# KiCad board raven.kicad_pcb (continued)
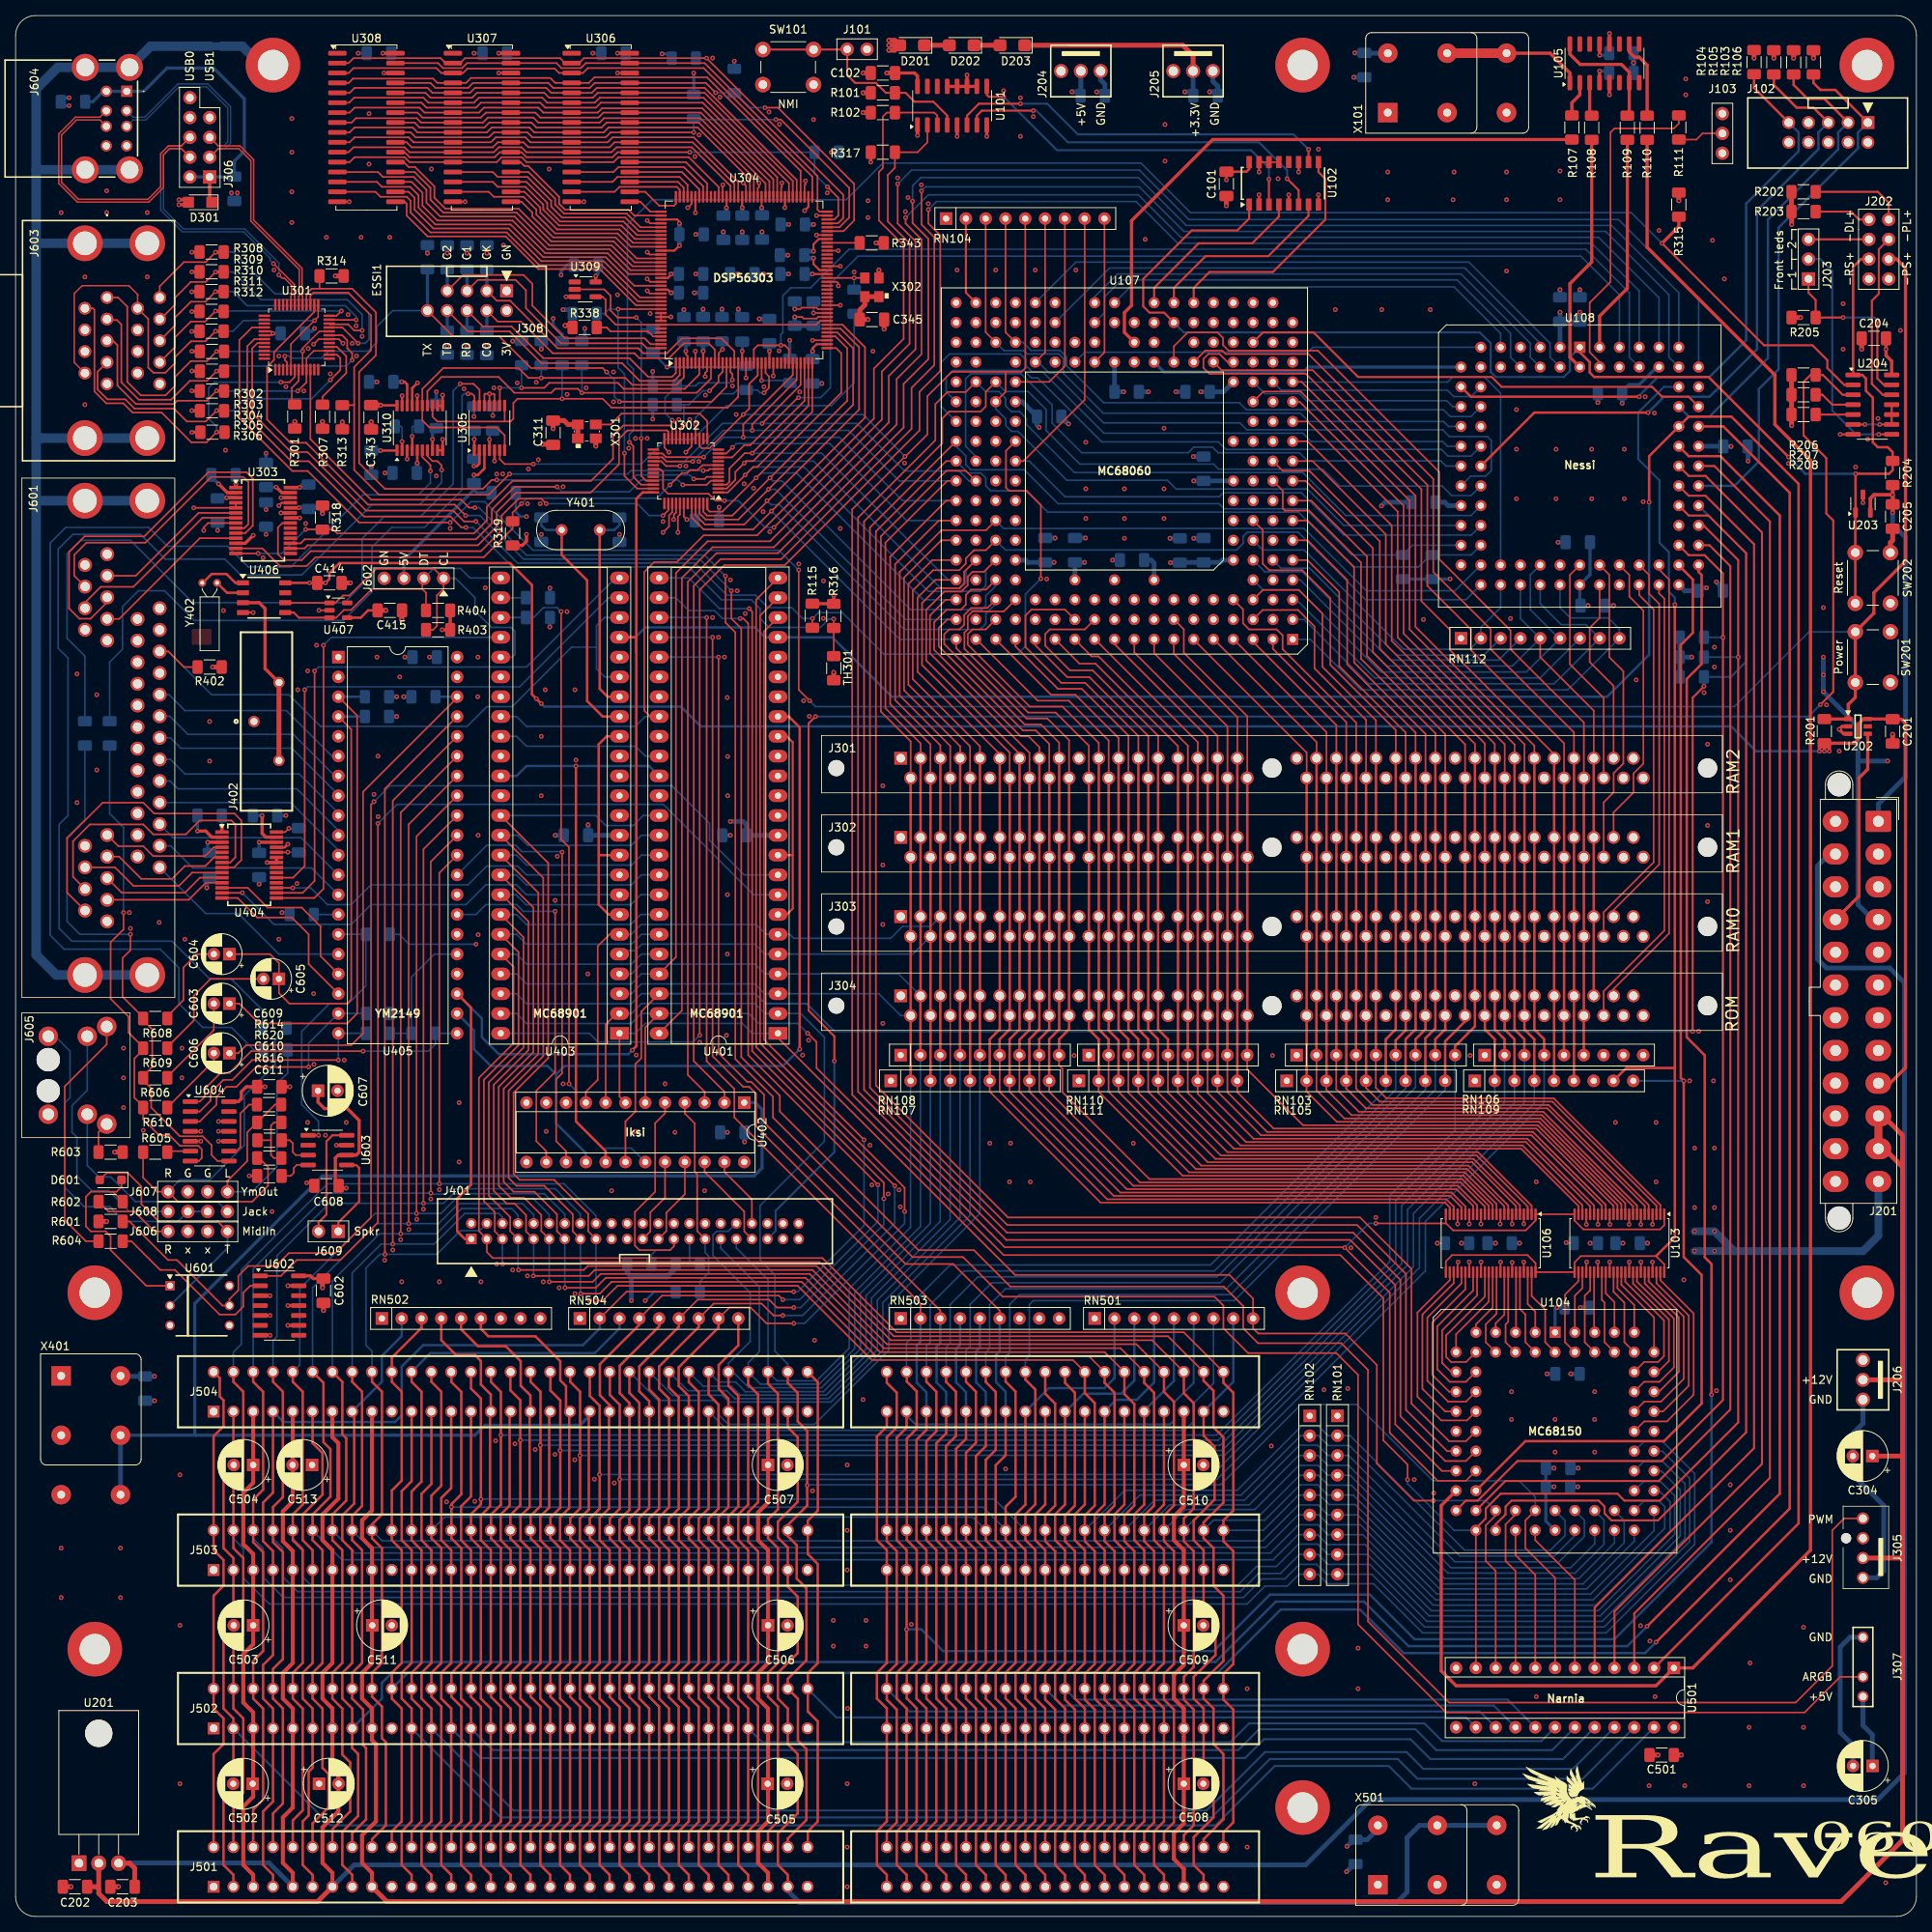
[diagram p0: board, top side]
## Placement (name value [footprint] x y rotation side) (continued)
R341  10K  [R_1206_3216Metric_Pad1.30x1.75mm_HandSolder]  92.2 235.46 270 bottom
R342  10K  [R_1206_3216Metric_Pad1.30x1.75mm_HandSolder]  87 232.16 270 bottom
R343  10K  [R_1206_3216Metric_Pad1.30x1.75mm_HandSolder]  109.83 214.68 0 top
R344  10K  [R_1206_3216Metric_Pad1.30x1.75mm_HandSolder]  85.72 238.38 180 bottom
R345  33  [R_1206_3216Metric_Pad1.30x1.75mm_HandSolder]  107.57 207.14 90 bottom
R401  1K  [R_1206_3216Metric_Pad1.30x1.75mm_HandSolder]  67.01 166.62 180 bottom
R402  1K  [R_1206_3216Metric_Pad1.30x1.75mm_HandSolder]  24.89 160.27 180 top
R403  2K2  [R_1206_3216Metric_Pad1.30x1.75mm_HandSolder]  54.2 165.05 180 top
R404  2K2  [R_1206_3216Metric_Pad1.30x1.75mm_HandSolder]  54.2 167.54 180 top
R405  2K2  [R_1206_3216Metric_Pad1.30x1.75mm_HandSolder]  67.01 169.16 180 bottom
R406  2K2  [R_1206_3216Metric_Pad1.30x1.75mm_HandSolder]  80.01 83.69 0 bottom
R407  2K2  [R_1206_3216Metric_Pad1.30x1.75mm_HandSolder]  86.23 80.14 180 bottom
R408  10K  [R_1206_3216Metric_Pad1.30x1.75mm_HandSolder]  86.23 83.69 0 bottom
R409  10K  [R_1206_3216Metric_Pad1.30x1.75mm_HandSolder]  36.7 128.52 180 bottom
R601  4K7  [R_1206_3216Metric_Pad1.30x1.75mm_HandSolder]  12.19 89.15 180 top
R602  220  [R_1206_3216Metric_Pad1.30x1.75mm_HandSolder]  12.19 91.69 0 top
R603  220  [R_1206_3216Metric_Pad1.30x1.75mm_HandSolder]  12.19 98.04 0 top
R604  220  [R_1206_3216Metric_Pad1.30x1.75mm_HandSolder]  12.19 86.61 180 top
R605  10K  [R_1206_3216Metric_Pad1.30x1.75mm_HandSolder]  17.91 98.04 0 top
R606  4K7  [R_1206_3216Metric_Pad1.30x1.75mm_HandSolder]  17.91 107.57 0 top
R607  10K  [R_1206_3216Metric_Pad1.30x1.75mm_HandSolder]  33.24 113.96 180 bottom
R608  4K7  [R_1206_3216Metric_Pad1.30x1.75mm_HandSolder]  17.91 115.19 0 top
R609  4K7  [R_1206_3216Metric_Pad1.30x1.75mm_HandSolder]  17.91 111.38 0 top
R610  4K7  [R_1206_3216Metric_Pad1.30x1.75mm_HandSolder]  17.91 103.76 0 top
R611  1K  [R_1206_3216Metric_Pad1.30x1.75mm_HandSolder]  52.32 156.46 180 bottom
R612  1K  [R_1206_3216Metric_Pad1.30x1.75mm_HandSolder]  46.35 153.92 0 bottom
R613  1K  [R_1206_3216Metric_Pad1.30x1.75mm_HandSolder]  46.35 156.46 0 bottom
R614  10K  [R_1206_3216Metric_Pad1.30x1.75mm_HandSolder]  32.51 104.14 180 top
R615  10K  [R_1206_3216Metric_Pad1.30x1.75mm_HandSolder]  33.36 111.16 180 bottom
R616  10K  [R_1206_3216Metric_Pad1.30x1.75mm_HandSolder]  32.54 97.28 180 top
R617  10K  [R_1206_3216Metric_Pad1.30x1.75mm_HandSolder]  46.51 115.82 180 bottom
R618  10K  [R_1206_3216Metric_Pad1.30x1.75mm_HandSolder]  46.48 113.28 180 bottom
R619  10K  [R_1206_3216Metric_Pad1.30x1.75mm_HandSolder]  52.32 113.28 0 bottom
R620  10K  [R_1206_3216Metric_Pad1.30x1.75mm_HandSolder]  32.54 101.85 180 top
R621  10K  [R_1206_3216Metric_Pad1.30x1.75mm_HandSolder]  46.48 125.98 0 bottom
RN101  4K7  [R_Array_SIP9]  169.57 64.21 270 top
RN102  4K7  [R_Array_SIP9]  166.01 64.21 270 top
RN103  1K  [R_Array_SIP9]  164.34 110.49 0 top
RN104  1K  [R_Array_SIP9]  119.36 217.81 0 top
RN105  1K  [R_Array_SIP9]  163.07 107.19 0 top
RN106  1K  [R_Array_SIP9]  188.47 110.49 0 top
RN107  1K  [R_Array_SIP9]  112.27 107.19 0 top
RN108  1K  [R_Array_SIP9]  113.54 110.49 0 top
RN109  1K  [R_Array_SIP9]  187.2 107.19 0 top
RN110  1K  [R_Array_SIP9]  137.67 110.49 0 top
RN111  1K  [R_Array_SIP9]  136.4 107.19 0 top
RN112  1K  [R_Array_SIP9]  185.42 163.96 0 top
RN501  4K7  [R_Array_SIP9]  138.43 76.71 0 top
RN502  4K7  [R_Array_SIP9]  46.99 76.71 0 top
RN503  1K  [R_Array_SIP9]  113.54 76.71 0 top
RN504  1K  [R_Array_SIP9]  72.39 76.71 0 top
SW101  Button  [SW_PUSH_6mm_H4.3mm]  102.36 234.99 180 top
SW201  Button  [SW_PUSH_6mm_H4.3mm]  240.5 164.79 270 top
SW202  Button  [SW_PUSH_6mm_H4.3mm]  236 168.45 90 top
TH301  NTC 10K  [R_1206_3216Metric_Pad1.30x1.75mm_HandSolder]  104.95 160.12 270 top
U101  74LS148  [SOIC-16_3.9x9.9mm_P1.27mm]  120.14 232.28 90 top
U102  74AHC157  [SOIC127P600X175-16N]  162.69 222.32 90 top
U103  SN74LVCH16245  [TSSOP-48_6.1x12.5mm_P0.5mm]  205.74 86.36 270 top
U104  MC68150  [PLCC-68_THT-Socket]  197.48 74.93 0 top
U105  CY2308  [SOIC-16_3.9x9.9mm_P1.27mm]  203.83 237.71 90 top
U106  SN74LVCH16245  [TSSOP-48_6.1x12.5mm_P0.5mm]  189.23 86.36 270 top
U107  MC68060  [MC68060_PGA206]  142.24 184.4 0 top
U108  ATF1508  [PLCC-84_THT-Socket]  200.66 201.3 0 top
U201  LM7905  [TO-220-3_Horizontal_TabDown]  8.13 6.83 0 top
U202  MAX16054  [SOT95P275X110-6N]  236.35 152.65 0 top
U203  DS1818  [SOT-23-3]  236.98 181.23 90 top
U204  74HCT10  [SOIC-14_3.9x8.7mm_P1.27mm]  238.19 193.93 0 top
U301  CH559L  [LQFP-48_7x7mm_P0.5mm]  36.07 202.58 90 top
U302  XR68M752  [TQFP-48_7x7mm_P0.5mm]  85.98 185.42 180 top
U303  MAX3245  [SOP65P778X199-28N]  31.75 179.07 0 top
U304  -  [DSP56303]  93.45 209.94 90 top
U305  PCM1808  [TSSOP-14_4.4x5mm_P0.65mm]  60.79 190.95 90 top
U306  AS7C31024B  [SOJ32_SRAM_300]  75.06 229.49 0 top
U307  AS7C31024B  [SOJ32_SRAM_300]  59.82 229.49 0 top
U308  AS7C31024B  [SOJ32_SRAM_300]  45 229.49 0 top
U309  SN74LVC1G14  [SOT-23-5_HandSoldering]  73.07 208.72 0 top
U310  PCM5102A  [TSSOP-20_4.4x6.5mm_P0.65mm]  51.85 190.95 90 top
U401  MC68901  [DIP-48_W15.24mm_Socket_LongPads]  97.79 113.28 180 top
U402  ATF22V10  [DIP-24_W7.62mm_Socket]  93.47 104.39 270 top
U403  MC68901  [DIP-48_W15.24mm_Socket_LongPads]  77.47 113.28 180 top
U404  MAX3245  [SOP65P778X199-28N]  29.97 134.87 0 top
U405  YM2149  [DIP-40_W15.24mm]  41.4 161.54 0 top
U406  DS1307  [SOIC127P600X175-8N]  31.88 169.16 0 top
U407  24AA02E48  [SOT-23-5]  41.4 167.55 0 top
U501  ATF22V10  [DIP-24_W7.62mm_Socket]  212.72 31.88 270 top
U601  CNY17F-3  [DIP762W60P254L730H430Q6N]  23.62 78.36 0 top
U602  74LS07  [SOIC-14_3.9x8.7mm_P1.27mm]  33.85 78.36 0 top
U603  PAM8302  [SOIC-8_3.9x4.9mm_P1.27mm]  40.01 98.3 0 top
U604  MCP4251  [SOIC-14_3.9x8.7mm_P1.27mm]  24.89 100.71 0 top
X101  48Mhz (3.3V)  [Oscillator_DIP-8-16]  176.02 231.39 0 top
X301  24Mhz (3.3V)  [ASE24576MHZLCT]  73.28 190.5 0 top
X302  22.5792MHz (3.3V)  [ASELJE225792MHzLRT]  109.84 208.99 90 top
X401  8Mhz (5V)  [Oscillator_DIP-8-16]  5.84 69.34 270 top
X501  14.31818Mhz (5V)  [Oscillator_DIP-8-16]  174.75 4.06 0 top
Y401  2.4576Mhz  [Crystal_HC49-U_Vertical]  74.93 177.85 180 top
Y402  32.768kHz  [Crystal_C26-LF_D2.1mm_L6.5mm_Horizontal]  23.94 171.07 0 top

## Library data of the parts
C101 C102 C110 C112-C119 C122-C128 C201-C205 C301 C306-C310 C312-C323 C327-C331 C337 C340-C342 C347 C403-C412 C414 C415 C514 C602 C608-C611 = -: Datasheet: https://www.mouser.se/datasheet/2/447/KEM_C1002_X7R_SMD-3316098.pdf; Manufacturer_Name: Kemet; Manufacturer_Part_Number: C1206C104K5RACTU; ki_fp_filters: C_*
C103 C104 C107-C109 C111 C303 C501 = -: Datasheet: https://www.mouser.se/datasheet/2/447/KEM_C1002_X7R_SMD-3316098.pdf; Manufacturer_Name: Kemet; Manufacturer_Part_Number: C1206C104K5RACTU; Part: C1206C104K5RACTU; Vendor: KEMET; ki_fp_filters: C_*
C105 C120 C130 C324 C332-C334 C343 C413 = -: Datasheet: https://www.mouser.se/datasheet/2/447/KEM_C1002_X7R_SMD-3316098.pdf; Manufacturer_Name: Kemet; Manufacturer_Part_Number: C1206C105K4RACTU; ki_fp_filters: C_*
C106 C121 C129 C206 C207 C302 C325 C601 = -: Datasheet: https://www.mouser.se/datasheet/2/447/KEM_C1002_X7R_SMD-3316098.pdf; Manufacturer_Name: Kemet; Manufacturer_Part_Number: C1206C106K4RACTU; ki_fp_filters: C_*
C304 C502-C513 C607 = -: Manufacturer_Name: Panasonic; Manufacturer_Part_Number: ECE-A1HKS100I; ki_fp_filters: CP_*
C305 = -: Manufacturer_Name: Panasonic; Manufacturer_Part_Number: ECE-A1AKS101; ki_fp_filters: CP_*
C311 = -: Datasheet: https://www.mouser.se/datasheet/2/447/KEM_C1002_X7R_SMD-3316098.pdf; Manufacturer_Name: Kemet; Manufacturer_Part_Number: C1206C103K5RACTU; ki_fp_filters: C_*
C326 = -: Datasheet: https://www.mouser.se/datasheet/2/447/KEM_C1002_X7R_SMD-3316098.pdf; Part: C1206C474K5RACTU; Vendor: KEMET; Manufacturer_Name: Kemet; Manufacturer_Part_Number: C1206C474K5RACTU; ki_fp_filters: C_*
C335 = -: Datasheet: https://www.mouser.se/datasheet/2/447/KEM_C1002_X7R_SMD-3316098.pdf; Part: C1206C104K5RACTU; Vendor: KEMET; Manufacturer_Name: Kemet; Manufacturer_Part_Number: C1206C104K5RACTU; ki_fp_filters: C_*
C338 = -: Datasheet: https://www.mouser.se/datasheet/2/447/KEM_C1002_X7R_SMD-3316098.pdf; Part: C1206C272K5RACTU; Vendor: KEMET; Manufacturer_Name: Kemet; Manufacturer_Part_Number: C1206C272K5RACTU; ki_fp_filters: C_*
C344 C346 = -: Datasheet: https://www.mouser.se/datasheet/2/447/KEM_C1002_X7R_SMD-3316098.pdf; Manufacturer_Name: Kemet; Manufacturer_Part_Number: C1206C225K4RACTU; ki_fp_filters: C_*
C345 = -: Datasheet: https://www.mouser.se/datasheet/2/447/KEM_C1002_X7R_SMD-3316098.pdf; Part: C1206C103K5RACTU; Vendor: KEMET; Manufacturer_Name: Kemet; Manufacturer_Part_Number: C1206C103K5RACTU; ki_fp_filters: C_*
C401 C402 = -: Datasheet: https://www.mouser.se/datasheet/2/447/KEM_C1002_X7R_SMD-3316098.pdf; Manufacturer_Name: Kemet; Manufacturer_Part_Number: C1206C330J1GACTU; ki_fp_filters: C_*
C603-C606 = -: Manufacturer_Name: Panasonic; Manufacturer_Part_Number: ECE-A1HKS4R7; ki_fp_filters: CP_*
D201-D203 = -: Datasheet: https://www.mouser.se/datasheet/2/80/CGRKM4001_HF_Thru__CGRKM4007_HF_RevH-3083814.pdf; Manufacturer_Name: Comchip; Manufacturer_Part_Number: CGRKM4001-HF; ki_fp_filters: TO-???* *_Diode_* *SingleDiode* D_*
D301 = -: Datasheet: https://assets.nexperia.com/documents/data-sheet/PMEG2010ER.pdf; Description: 20V, 1A low Vf MEGA Schottky barrier rectifier, SOD-123W; Manufacturer_Name: Nexperia; ki_fp_filters: Nexperia*CFP3*SOD?123W*
D601 = -: Datasheet: http://www.vishay.com/docs/85622/1n914.pdf; Sim.Device: D; Sim.Pins: 1=K 2=A; Manufacturer_Name: Taiwan Semiconductor; Manufacturer_Part_Number: 1N914BW RHG; ki_fp_filters: D*DO?35*
H601-H609 = -: ki_fp_filters: MountingHole*Pad*
J101 = -: Manufacturer_Name: Wurth Elektronik; Manufacturer_Part_Number: 61300211121; Name: NMI; ki_fp_filters: Connector*:*_1x??_*
J102 = -: Datasheet: https://www.we-online.com/components/products/datasheet/61201021621.pdf; Manufacturer_Name: Wurth Elektronik; Manufacturer_Part_Number: 61201021621
J103 J203 = -: Manufacturer_Name: Wurth Elektronik; Manufacturer_Part_Number: 61300311121; ki_fp_filters: Connector*:*_1x??_*
J201 = -: Datasheet: https://www.mouser.se/datasheet/2/418/7/ENG_CD_1775099_J-2019577.pdf; Info: https://www.intel.com/content/dam/www/public/us/en/documents/guides/power-supply-design-guide-june.pdf#page=33; Manufacturer_Name: TE Connectivity; Manufacturer_Part_Number: 1-1775099-3; ki_fp_filters: *Mini?Fit*2x12*Vertical* *Mini?Fit*2x12*Horizontal*
J202 = -: Manufacturer_Name: Wurth Elektronik; Manufacturer_Part_Number: 61300821121; Name: Frontpanel; ki_fp_filters: Connector*:*_2x??_*
J204-J206 = -: Datasheet: https://www.molex.com/pdm_docs/sd/1718561003_sd.pdf; Height: 8.43; Mouser Part Number: 538-171856-1003; Mouser Price/Stock: https://www.mouser.co.uk/ProductDetail/Molex/171856-1003?qs=s7UCm7gO1bYrc6bByhKL5g%3D%3D; Manufacturer_Name: Molex; Manufacturer_Part_Number: 171856-1003
J301-J304 = -: Datasheet: https://www.te.com/commerce/DocumentDelivery/DDEController?Action=srchrtrv&DocNm=5822030&DocType=Customer+Drawing&DocLang=English&PartCntxt=5822030-3&DocFormat=pdf; Description: Non-standard SIMM; Manufacturer_Name: TE Connectivity; Manufacturer_Part_Number: 5822030-3
J305 = -: Datasheet: https://www.molex.com/en-us/products/part-detail-pdf/470531000?display=pdf; Description: Generic connector, single row, 01x04, script generated (kicad-library-utils/schlib/autogen/connector/); Manufacturer_Name: Molex; Manufacturer_Part_Number: 47053-1000; ki_fp_filters: Connector*:*_1x??_*
J306 = -: Description: Generic connector, double row, 02x05, odd/even pin numbering scheme (row 1 odd numbers, row 2 even numbers), script generated (kicad-library-utils/schlib/autogen/connector/); Manufacturer_Name: Wurth Elektronik; Manufacturer_Part_Number: 61301021121; ki_fp_filters: Connector*:*_2x??_*
J307 = -: Datasheet: https://www.mouser.se/datasheet/2/273/MMMCS33186_1-2552569.pdf; Description: Fan header, 5V ARGB; Manufacturer_Name: Mill-Max; Manufacturer_Part_Number: 800-10-004-10-001000; Manufacturer_Name2: Preci-dip; Manufacturer_Part_Number2: 350-10-104-00-006101; ki_fp_filters: Connector*:*_1x??_*
J308 = -: Description: Generic connector, double row, 02x05, odd/even pin numbering scheme (row 1 odd numbers, row 2 even numbers), script generated (kicad-library-utils/schlib/autogen/connector/); Manufacturer_Name: Wurth Elektronik; Manufacturer_Name2: Wurth Elektronik; Manufacturer_Part_Number2: 61301021121; Manufacturer_Part_Number: 61201021621; ki_fp_filters: Connector*:*_2x??_*
J401 = -: Description: Connector pin header; Manufacturer_Name: Wurth Elektronik; Manufacturer_Part_Number: 62004421121; ki_fp_filters: Connector*:*_2x??_*
J402 = -: Datasheet: https://cdn.harwin.com/pdfs/S8401.pdf; Mouser Part Number: 855-S8401-46; Mouser Price/Stock: https://www.mouser.co.uk/ProductDetail/Harwin/S8401-46?qs=Qom7kyPojXaFNoCO9lxVnA%3D%3D; Manufacturer_Name: Harwin; Manufacturer_Part_Number: S8401-46
J501-J504 = -: Datasheet: https://www.mouser.se/datasheet/2/418/7/ENG_CD_5176139_E-2067364.pdf; Manufacturer_Name: TE Connectivity; Manufacturer_Part_Number: 5176139-2
J601 = -: Datasheet: https://cdn.amphenol-cs.com/media/wysiwyg/files/documentation/datasheet/inputoutput/l17h_stacked_dsub.pdf; Manufacturer_Name: Amphenol; Manufacturer_Part_Number: L17H26R0121; Mouser Part Number: 523-L17H26R0121
J602 J606-J608 = -: Manufacturer_Name: Wurth Elektronik; Manufacturer_Part_Number: 61300411121; ki_fp_filters: Connector*:*_1x??_*
J603 = -: Datasheet: https://componentsearchengine.com/Datasheets/1/K42X-E9P_P-A4NJ.pdf; Height: 31.6; Mouser Part Number: 806-K42X-E9P/P-A4NJ; Mouser Price/Stock: https://www.mouser.com/Search/Refine.aspx?Keyword=806-K42X-E9P%2FP-A4NJ; Manufacturer_Name: Kycon; Manufacturer_Part_Number: K42X-E9P/P-A4NJ
J604 = -: Datasheet: https://gct.co/connector/usb1035; Description: USB Connectors USB A Skt, Dual Top TH R/A, GF, BLK, No ground, W/stake, tray; Height: 16.25; Mouser Part Number: 640-USB1035GFP0BB; Mouser Price/Stock: https://www.mouser.co.uk/ProductDetail/GCT/USB1035-GF-P-0-B-B?qs=KUoIvG%2F9IlZdvtWwZEQX0g%3D%3D; Manufacturer_Name: GCT; Manufacturer_Part_Number: USB1035-GF-P-0-B-B
J605 = -: Datasheet: https://www.kycon.com/Pub_Eng_Draw/STX-4235-3-3-N.pdf; Manufacturer_Name: Kycon; Manufacturer_Part_Number: STX-4235-3/3-N; Mouser Part Number: 806-STX-4235-3/3-N
J609 = -: Name: SPK; Manufacturer_Name: Wurth Elektronik; Manufacturer_Part_Number: 61300211121; ki_fp_filters: Connector*:*_1x??_*
NT601 = -: Description: Net tie, 2 pins; ki_fp_filters: Net*Tie*
R101-R103 R111 R201 R205-R208 R301-R319 R327 R334-R336 R338 R339 R341-R344 R408 R409 R605 R607 R614-R621 = -: Manufacturer_Name: Yageo; Manufacturer_Part_Number: RT1206FRE0710KL; ki_fp_filters: R_*
R104-R106 R601 R606 R608-R610 = -: Manufacturer_Name: Yageo; Manufacturer_Part_Number: RT1206FRE074K7L; ki_fp_filters: R_*
R107-R110 R345 = -: Manufacturer_Name: Yageo; Manufacturer_Part_Number: RT1206FRE0733RL; ki_fp_filters: R_*
R112-R117 R204 R320 R337 R340 R401 R402 R611-R613 = -: Manufacturer_Name: Yageo; Manufacturer_Part_Number: RT1206FRE071KL; ki_fp_filters: R_*
R202 R203 R602-R604 = -: Manufacturer_Name: Yageo; Manufacturer_Part_Number: RT1206FRE07220RL; ki_fp_filters: R_*
R321-R326 R328-R333 = -: Manufacturer_Name: Yageo; Manufacturer_Part_Number: RT1206FRE0747KL; ki_fp_filters: R_*
R403-R407 = -: Manufacturer_Name: Yageo; Manufacturer_Part_Number: RT1206FRE072K2L; ki_fp_filters: R_*
RN101 RN102 RN501 RN502 = -: Datasheet: http://www.vishay.com/docs/31509/csc.pdf; Manufacturer_Name: IRC / TT; Manufacturer_Part_Number: L091S472LF; ki_fp_filters: R?Array?SIP*
RN103-RN112 RN503 RN504 = -: Datasheet: https://www.mouser.se/datasheet/2/414/TTRB_S_A0011800142_1-2565569.pdf; Manufacturer_Name: IRC / TT; Manufacturer_Part_Number: L091S102LF; ki_fp_filters: R?Array?SIP*
SW101 = -: Manufacturer_Name: Alps Alpine; Manufacturer_Part_Number: SKHHAKA010; Name: NMI
SW201 = -: Manufacturer_Name: Alps Alpine; Manufacturer_Part_Number: SKHHAKA010; Name: Pwr
SW202 = -: Manufacturer_Name: Alps Alpine; Manufacturer_Part_Number: SKHHAKA010; Name: Reset
TH301 = -: Datasheet: https://product.tdk.com/system/files/dam/doc/product/sensor/ntc/chip-ntc-thermistor/data_sheet/50/db/ntc/ntc_smd_standard_series_1206.pdf; Manufacturer_Name: TDK; Manufacturer_Part_Number: B57621C5103J62; ki_fp_filters: *NTC* *Thermistor* PIN?ARRAY* bornier* *Terminal?Block* R_*
U101 = -: Datasheet: https://www.ti.com/lit/ds/symlink/sn74ls148.pdf?ts=1705308070567; Manufacturer_Name: Texas Instruments; Manufacturer_Part_Number: SN74LS148DR; ki_fp_filters: DIP?16*
U102 = -: Datasheet: https://componentsearchengine.com/Datasheets/1/74AHC157D,118.pdf; Height: 1.75; Manufacturer_Name: Nexperia; Manufacturer_Part_Number: 74AHC157D,118; Mouser Part Number: 771-AHC157D118; Mouser Price/Stock: https://www.mouser.com/Search/Refine.aspx?Keyword=771-AHC157D118
U103 U106 = -: Datasheet: https://www.mouser.se/datasheet/2/916/74LVC_LVCH16245A-1535593.pdf; Manufacturer_Name: Nexperia; Manufacturer_Part_Number: 74LVCH16245ADGG,11; ki_fp_filters: TSSOP*6.1x12.5mm*P0.5mm*
U104 = -: Datasheet: https://media.digikey.com/pdf/Data%20Sheets/IDT/MC68150.pdf; Manufacturer_Name: Motorola; Manufacturer_Part_Number: MC68150FN40; Vendor: NXP
U105 = -: Datasheet: https://www.mouser.se/datasheet/2/196/Infineon_CY2308_3_3_V_Zero_Delay_Buffer_DataSheet_-3361085.pdf; Manufacturer_Name: Infineon Technologies; Manufacturer_Part_Number: CY2308SXC-2
U107 = -: Datasheet: https://www.nxp.com/docs/en/data-sheet/MC68060UM.pdf; Manufacturer_Name: Motorola; Manufacturer_Part_Number: MC68060RC50; Part: MC68060RC; Vendor: NXP
U108 = -: Datasheet: https://www.mouser.se/datasheet/2/268/doc0784-1368949.pdf; Manufacturer_Name: Microchip; Manufacturer_Part_Number: ATF1508AS-7JX84
U201 = -: Datasheet: https://datasheet.datasheetarchive.com/originals/distributors/Datasheets-SFU2/DSASFU100036452.pdf; Height: 4.7; Manufacturer_Name: Texas Instruments; Manufacturer_Part_Number: LM7905CT/NOPB; Mouser Part Number: 926-LM7905CT/NOPB; Mouser Price/Stock: https://www.mouser.co.uk/ProductDetail/Texas-Instruments/LM7905CT-NOPB?qs=QbsRYf82W3EUyxHaqeuxKA%3D%3D
U202 = -: Datasheet: https://datasheet.datasheetarchive.com/originals/distributors/SFDatasheet-4/sf-00087822.pdf; Height: 1.1; Manufacturer_Name: Analog Devices; Manufacturer_Part_Number: MAX16054AZT+T; Mouser Part Number: 700-MAX16054AZTT; Mouser Price/Stock: https://www.mouser.co.uk/ProductDetail/Analog-Devices-Maxim-Integrated/MAX16054AZT%2bT?qs=CDqwynd4ZNoG75aAAjGoqQ%3D%3D
U203 = -: Datasheet: https://www.mouser.se/datasheet/2/609/DS1818-3122611.pdf; Mouser Part Number: 700-DS1818R-10T&R; Manufacturer_Name: Analog Devices; Manufacturer_Part_Number: DS1818R-10+T&R
U204 = -: Datasheet: https://www.ti.com/lit/ds/symlink/cd74hct10.pdf?ts=1705337310925&ref_url=https%253A%252F%252Fwww.mouser.se%252F; Manufacturer_Name: Texas Instruments; Manufacturer_Part_Number: CD74HCT10M96G4; ki_fp_filters: DIP*W7.62mm*
U301 = -: Datasheet: https://www.wch-ic.com/downloads/file/212.html?time=2025-03-14%2017:18:16&code=zSAYCtAspQWkNjkWkXBXEKZuYL6RHVEhDMyqfEtb; Manufacturer_Name: WCH
U302 = -: Datasheet: https://www.mouser.se/datasheet/2/146/xr16m752_111_062509-1888941.pdf; Manufacturer_Name: MaxLinear; Manufacturer_Part_Number: XR68M752IM48-F
U303 U404 = -: Datasheet: https://www.mouser.se/datasheet/2/609/MAX3224_MAX3245-3128230.pdf; Height: 1.99; Manufacturer_Name: Analog Devices; Manufacturer_Part_Number: MAX3245CAI+T; Mouser Part Number: 700-MAX3245CAIT; Mouser Price/Stock: https://www.mouser.co.uk/ProductDetail/Analog-Devices-Maxim-Integrated/MAX3245EAI%2bT?qs=CDqwynd4ZNrrMw8MU20iYw%3D%3D
U304 = -: Datasheet: https://www.nxp.com/docs/en/data-sheet/DSP56303.pdf; Manufacturer_Name: Motorola; Manufacturer_Part_Number: DSP56303AG100
U305 = -: Datasheet: http://www.ti.com/lit/gpn/PCM1807; Description: 101dB SNR Stereo ADC With Single-Ended Inputs; Height: 1.2; Mouser Part Number: 595-PCM1808PW; Mouser Price/Stock: https://www.ti.com/lit/ds/symlink/pcm1808.pdf; Manufacturer_Name: Texas Instruments; Manufacturer_Part_Number: PCM1808PW
U306-U308 = -: Datasheet: https://www.alliancememory.com/wp-content/uploads/pdf/sram/fa/AS7C31024B.V1.2.pdf; Description: 3.3V 1-Mbit (128K X 8-bit) CMOS SRAM, 10/12/15/20ns, SOJ-32 (300 mil); Manufacturer_Name: Alliance Memory; Manufacturer_Part_Number: AS7C31024B-12TJCN; ki_fp_filters: *SOJ*7.6*20.*P1.27mm*
U309 = -: Datasheet: https://www.ti.com/lit/ds/symlink/sn74lvc1g14.pdf; Description: Single Schmitt NOT Gate, Low-Voltage CMOS, SOT-23; Manufacturer_Name: Texas Instruments; Manufacturer_Part_Number: SN74LVC1G14DBVT; ki_fp_filters: SOT*23*
U310 = -: Datasheet: https://www.ti.com/lit/ds/symlink/pcm5102a.pdf; Description: 2.1 VRMS, 112dB Audio Stereo DAC with PLL and 32-bit, 384kHz PCM Interface, TSSOP-20; Manufacturer_Name: Texas Instruments; Manufacturer_Part_Number: PCM5102APWR; ki_fp_filters: TSSOP*4.4x6.5mm*P0.65mm*
U401 U403 = -: Datasheet: https://www.nxp.com/docs/en/reference-manual/MC68901UM.pdf; Manufacturer_Name: Motorola; Manufacturer_Part_Number: MC68901P
U402 U501 = -: Datasheet: http://ww1.microchip.com/downloads/en/DeviceDoc/doc0735.pdf; Manufacturer_Name: Microchip; Manufacturer_Part_Number: ATF22V10C-10PU
U405 = -: Datasheet: http://www.ym2149.com/ym2149.pdf; Manufacturer_Name: Yamaha; ki_fp_filters: DIP*W15.24mm*
U406 = -: Datasheet: https://datasheets.maximintegrated.com/en/ds/DS1307.pdf; Height: 1.75; Mouser Part Number: 700-DS1307ZT&R; Mouser Price/Stock: https://www.mouser.co.uk/ProductDetail/Analog-Devices-Maxim-Integrated/DS1307Z%2bTR?qs=0Y9aZN%252BMVCXp4OQc9xwQow%3D%3D; Manufacturer_Name: Analog Devices; Manufacturer_Part_Number: DS1307Z+T&R
U407 = -: Datasheet: https://www.mouser.se/datasheet/2/268/2_Kbit_I2C_Serial_EEPROMs__2bEUI_48_or_EUI_64_Node-3442802.pdf; Description: MAC address, EEPROM 2K, 256x8, i2c; Manufacturer_Name: Microchip; Manufacturer_Part_Number: 24AA02E48T-I/OT
U601 = -: Datasheet: https://componentsearchengine.com/Datasheets/2/CNY17F-3.pdf; Height: 4.3; Mouser Part Number: 782-CNY17F-3; Mouser Price/Stock: https://www.mouser.co.uk/ProductDetail/Vishay-Semiconductors/CNY17F-3?qs=xCMk%252BIHWTZPgGZuXIQVmMQ%3D%3D; Manufacturer_Name: Vishay
U602 = -: Datasheet: www.ti.com/lit/ds/symlink/sn74ls07.pdf; Manufacturer_Name: Texas Instruments; Manufacturer_Part_Number: SN74LS07DR; ki_fp_filters: SOIC*3.9x8.7mm*P1.27mm* TSSOP*4.4x5mm*P0.65mm* DIP*W7.62mm*
U603 = -: Datasheet: https://www.diodes.com/assets/Datasheets/PAM8302A.pdf; Description: 2.5W Filterless Class-D Mono Audio Amplifier, SOIC-8; Manufacturer_Name: Diodes Incorporated; Manufacturer_Part_Number: PAM8302AADCR; ki_fp_filters: MSOP*3x3mm*P0.65mm* SOIC*3.9x4.9mm*P1.27mm*
U604 = -: Datasheet: http://ww1.microchip.com/downloads/en/devicedoc/22060b.pdf; Description: Dual 8 Bit Digital Pot, SPI, Volatile Memory, SOIC-14; Manufacturer_Name: Microchip; Manufacturer_Part_Number: MCP4251T-103E/SL; ki_fp_filters: SOIC*3.9x8.7mm*P1.27mm*
X101 = -: Datasheet: http://cdn-reichelt.de/documents/datenblatt/B400/OSZI.pdf; Manufacturer_Name: Abracon; Manufacturer_Part_Number: ACHL-48.000MHZ-EK; ki_fp_filters: Oscillator*DIP*8*
X301 = -: Description: Standard Clock Oscillators 24.000M 3.3V 50ppm; Height: 1.2; Mouser Part Number: 815-ASE-24.000MLCT; Mouser Price/Stock: https://www.mouser.co.uk/ProductDetail/ABRACON/ASE-24.000MHZ-L-C-T?qs=s46Hw6dZPL5hsj8Gn4dVUg%3D%3D; Manufacturer_Name: Abracon; Manufacturer_Part_Number: ASE-24.000MHZ-L-C-T
X302 = -: Datasheet: https://abracon.com/datasheets/ASELJ.pdf; Description: 22.5792 MHz XO (Standard) CMOS Oscillator 3.3V Enable/Disable 4-SMD, No Lead; Height: 1.1; Mouser Part Number: 815-ASELJE225792MLRT; Mouser Price/Stock: https://www.mouser.co.uk/ProductDetail/ABRACON/ASELJ-E-22.5792MHz-L-R-T?qs=wT7LY0lnAe3Ow5g%252BywGHaA%3D%3D; Manufacturer_Name: Abracon; Manufacturer_Part_Number: ASELJ-E-22.5792MHz-L-R-T
X401 = -: Datasheet: http://cdn-reichelt.de/documents/datenblatt/B400/OSZI.pdf; Description: Crystal Clock Oscillator, DIP8-style metal package; Manufacturer_Name: Abracon; Manufacturer_Part_Number: ACH-8.000MHZ-EK; ki_fp_filters: Oscillator*DIP*8*
X501 = -: Datasheet: http://cdn-reichelt.de/documents/datenblatt/B400/OSZI.pdf; Description: Crystal Clock Oscillator, DIP8-style metal package; Manufacturer_Name: Abracon; Manufacturer_Part_Number: ACH-14.31818MHZ-EK; ki_fp_filters: Oscillator*DIP*8*
Y401 = -: Manufacturer_Name: CTS; Manufacturer_Part_Number: MP024S; ki_fp_filters: Crystal*
Y402 = -: Height: 6.2; Manufacturer_Name: ECS; Manufacturer_Part_Number: ECS-.327-12.5-13X-C; Mouser Part Number: 520-S-.32712.513XC; Mouser Price/Stock: https://www.mouser.co.uk/ProductDetail/ECS/ECS-.327-12.5-13X-C?qs=zW32dvEIR3sSXlfaut3cdQ%3D%3D

## Footprints (pads in the part's own frame, mm; a bottom-side part is the same pattern mirrored in y, then rotated)
470531000
  round 1.3 hole 1.3 unplated: (-5.08,-2.16)
  round 1.55 hole 1.02: 1(-7.62,0) 2(-5.08,0) 3(-2.54,0)
  round 1.53 hole 1.02: 4(0,0)
ASE24576MHZLCT
  rect 1.5x1.225 smd: 1(-1.15,-0.887) 2(1.15,-0.887) 3(1.15,0.887) 4(-1.15,0.887)
ASELJE225792MHzLRT
  rect 1.4x1.2 smd: 1(-1.2,-0.9) 2(1.2,-0.9) 3(1.2,0.9) 4(-1.2,0.9)
ATX_hole
  round 7 hole 3.9: 1(0,0)
ATX_pwr24
  round 3 hole 3 unplated: (-4.7,-5.04) (50.9,-5.04)
  rrect 2.7x3.3 hole 1.4: 1(0,0)
  oval 2.7x3.3 hole 1.4: 2(4.2,0) 3(8.4,0) 4(12.6,0) 5(16.8,0) 6(21,0) 7(25.2,0) 8(29.4,0) 9(33.6,0) 10(37.8,0) 11(42,0) 12(46.2,0) 13(0,-5.5) 14(4.2,-5.5) 15(8.4,-5.5) 16(12.6,-5.5) 17(16.8,-5.5) 18(21,-5.5) 19(25.2,-5.5) 20(29.4,-5.5) 21(33.6,-5.5) 22(37.8,-5.5) 23(42,-5.5) 24(46.2,-5.5)
C_1206_3216Metric_Pad1.33x1.80mm_HandSolder
  rrect 1.325x1.8 smd: 1(-1.562,0) 2(1.562,0)
CP_Radial_D5.0mm_P2.00mm
  rect 1.6x1.6 hole 0.8: 1(0,0)
  round 1.6 hole 0.8: 2(2,0)
CP_Radial_D6.3mm_P2.50mm
  rect 1.6x1.6 hole 0.8: 1(0,0)
  round 1.6 hole 0.8: 2(2.5,0)
Crystal_C26-LF_D2.1mm_L6.5mm_Horizontal
  round 1 hole 0.5: 1(0,0) 2(1.9,0)
Crystal_HC49-U_Vertical
  round 1.5 hole 0.8: 1(0,0) 2(4.88,0)
D_SOD-123F
  rrect 1.1x1.1 smd: 1(-1.4,0) 2(1.4,0)
D_SOD-123F_Handsolder
  rrect 1.651x1.524 smd: 1(-1.587,0) 2(1.587,0)
DIP762W60P254L730H430Q6N
  rect 1.2x1.2 hole 0.8: 1(-3.81,2.54)
  round 1.2 hole 0.8: 2(-3.81,0) 3(-3.81,-2.54) 4(3.81,-2.54) 5(3.81,0) 6(3.81,2.54)
DIP-24_W7.62mm_Socket
  rect 1.6x1.6 hole 0.8: 1(0,0)
  oval 1.6x1.6 hole 0.8: 2(0,-2.54) 3(0,-5.08) 4(0,-7.62) 5(0,-10.16) 6(0,-12.7) 7(0,-15.24) 8(0,-17.78) 9(0,-20.32) 10(0,-22.86) 11(0,-25.4) 12(0,-27.94) 13(7.62,-27.94) 14(7.62,-25.4) 15(7.62,-22.86) 16(7.62,-20.32) 17(7.62,-17.78) 18(7.62,-15.24) 19(7.62,-12.7) 20(7.62,-10.16) 21(7.62,-7.62) 22(7.62,-5.08) 23(7.62,-2.54) 24(7.62,0)
DIP-40_W15.24mm
  rect 1.6x1.6 hole 0.8: 1(0,0)
  oval 1.6x1.6 hole 0.8: 2(0,-2.54) 3(0,-5.08) 4(0,-7.62) 5(0,-10.16) 6(0,-12.7) 7(0,-15.24) 8(0,-17.78) 9(0,-20.32) 10(0,-22.86) 11(0,-25.4) 12(0,-27.94) 13(0,-30.48) 14(0,-33.02) 15(0,-35.56) 16(0,-38.1) 17(0,-40.64) 18(0,-43.18) 19(0,-45.72) 20(0,-48.26) 21(15.24,-48.26) 22(15.24,-45.72) 23(15.24,-43.18) 24(15.24,-40.64) 25(15.24,-38.1) 26(15.24,-35.56) 27(15.24,-33.02) 28(15.24,-30.48) 29(15.24,-27.94) 30(15.24,-25.4) 31(15.24,-22.86) 32(15.24,-20.32) 33(15.24,-17.78) 34(15.24,-15.24) 35(15.24,-12.7) 36(15.24,-10.16) 37(15.24,-7.62) 38(15.24,-5.08) 39(15.24,-2.54) 40(15.24,0)
DIP-48_W15.24mm_Socket_LongPads
  rect 2.4x1.6 hole 0.8: 1(0,0)
  oval 2.4x1.6 hole 0.8: 2(0,-2.54) 3(0,-5.08) 4(0,-7.62) 5(0,-10.16) 6(0,-12.7) 7(0,-15.24) 8(0,-17.78) 9(0,-20.32) 10(0,-22.86) 11(0,-25.4) 12(0,-27.94) 13(0,-30.48) 14(0,-33.02) 15(0,-35.56) 16(0,-38.1) 17(0,-40.64) 18(0,-43.18) 19(0,-45.72) 20(0,-48.26) 21(0,-50.8) 22(0,-53.34) 23(0,-55.88) 24(0,-58.42) 25(15.24,-58.42) 26(15.24,-55.88) 27(15.24,-53.34) 28(15.24,-50.8) 29(15.24,-48.26) 30(15.24,-45.72) 31(15.24,-43.18) 32(15.24,-40.64) 33(15.24,-38.1) 34(15.24,-35.56) 35(15.24,-33.02) 36(15.24,-30.48) 37(15.24,-27.94) 38(15.24,-25.4) 39(15.24,-22.86) 40(15.24,-20.32) 41(15.24,-17.78) 42(15.24,-15.24) 43(15.24,-12.7) 44(15.24,-10.16) 45(15.24,-7.62) 46(15.24,-5.08) 47(15.24,-2.54) 48(15.24,0)
DSP56303
  rrect 1.475x0.3 smd: 1(-10.662,8.75) 2(-10.662,8.25) 3(-10.662,7.75) 4(-10.662,7.25) 5(-10.662,6.75) 6(-10.662,6.25) 7(-10.662,5.75) 8(-10.662,5.25) 9(-10.662,4.75) 10(-10.662,4.25) 11(-10.662,3.75) 12(-10.662,3.25) 13(-10.662,2.75) 14(-10.662,2.25) 15(-10.662,1.75) 16(-10.662,1.25) 17(-10.662,0.75) 18(-10.662,0.25) 19(-10.662,-0.25) 20(-10.662,-0.75) 21(-10.662,-1.25) 22(-10.662,-1.75) 23(-10.662,-2.25) 24(-10.662,-2.75) 25(-10.662,-3.25) 26(-10.662,-3.75) 27(-10.662,-4.25) 28(-10.662,-4.75) 29(-10.662,-5.25) 30(-10.662,-5.75) 31(-10.662,-6.25) 32(-10.662,-6.75) 33(-10.662,-7.25) 34(-10.662,-7.75) 35(-10.662,-8.25) 36(-10.662,-8.75) 73(10.662,-8.75) 74(10.662,-8.25) 75(10.662,-7.75) 76(10.662,-7.25) 77(10.662,-6.75) 78(10.662,-6.25) 79(10.662,-5.75) 80(10.662,-5.25) 81(10.662,-4.75) 82(10.662,-4.25) 83(10.662,-3.75) 84(10.662,-3.25) 85(10.662,-2.75) 86(10.662,-2.25) 87(10.662,-1.75) 88(10.662,-1.25) 89(10.662,-0.75) 90(10.662,-0.25) 91(10.662,0.25) 92(10.662,0.75) 93(10.662,1.25) 94(10.662,1.75) 95(10.662,2.25) 96(10.662,2.75) 97(10.662,3.25) 98(10.662,3.75) 99(10.662,4.25) 100(10.662,4.75) 101(10.662,5.25) 102(10.662,5.75) 103(10.662,6.25) 104(10.662,6.75) 105(10.662,7.25) 106(10.662,7.75) 107(10.662,8.25) 108(10.662,8.75)
  rrect 0.3x1.475 smd: 37(-8.75,-10.662) 38(-8.25,-10.662) 39(-7.75,-10.662) 40(-7.25,-10.662) 41(-6.75,-10.662) 42(-6.25,-10.662) 43(-5.75,-10.662) 44(-5.25,-10.662) 45(-4.75,-10.662) 46(-4.25,-10.662) 47(-3.75,-10.662) 48(-3.25,-10.662) 49(-2.75,-10.662) 50(-2.25,-10.662) 51(-1.75,-10.662) 52(-1.25,-10.662) 53(-0.75,-10.662) 54(-0.25,-10.662) 55(0.25,-10.662) 56(0.75,-10.662) 57(1.25,-10.662) 58(1.75,-10.662) 59(2.25,-10.662) 60(2.75,-10.662) 61(3.25,-10.662) 62(3.75,-10.662) 63(4.25,-10.662) 64(4.75,-10.662) 65(5.25,-10.662) 66(5.75,-10.662) 67(6.25,-10.662) 68(6.75,-10.662) 69(7.25,-10.662) 70(7.75,-10.662) 71(8.25,-10.662) 72(8.75,-10.662) 109(8.75,10.662) 110(8.25,10.662) 111(7.75,10.662) 112(7.25,10.662) 113(6.75,10.662) 114(6.25,10.662) 115(5.75,10.662) 116(5.25,10.662) 117(4.75,10.662) 118(4.25,10.662) 119(3.75,10.662) 120(3.25,10.662) 121(2.75,10.662) 122(2.25,10.662) 123(1.75,10.662) 124(1.25,10.662) 125(0.75,10.662) 126(0.25,10.662) 127(-0.25,10.662) 128(-0.75,10.662) 129(-1.25,10.662) 130(-1.75,10.662) 131(-2.25,10.662) 132(-2.75,10.662) 133(-3.25,10.662) 134(-3.75,10.662) 135(-4.25,10.662) 136(-4.75,10.662) 137(-5.25,10.662) 138(-5.75,10.662) 139(-6.25,10.662) 140(-6.75,10.662) 141(-7.25,10.662) 142(-7.75,10.662) 143(-8.25,10.662) 144(-8.75,10.662)
ESSI-BoxHeader
  rect 1.65x1.65 hole 1.1: 1(0,0)
  round 1.65 hole 1.1: 2(2.54,0) 3(0,-2.54) 4(2.54,-2.54) 5(0,-5.08) 6(2.54,-5.08) 7(0,-7.62) 8(2.54,-7.62) 10(2.54,-10.16)
HDRV3W99P0X254_1X3_747X635X843P
  round 1.8 hole 1.2: 1(0,0) 2(2.54,0) 3(5.08,0)
HDRV4W76P0X254_1X4_1016X254X813P
  round 1.425 hole 0.95: 1(0,0) 2(2.54,0) 4(7.62,0)
IDE44PIN
  rect 1.35x1.35 hole 0.8: 1(0,0)
  round 1.35 hole 0.8: 2(0,2) 3(2,0) 4(2,2) 5(4,0) 6(4,2) 7(6,0) 8(6,2) 9(8,0) 10(8,2) 11(10,0) 12(10,2) 13(12,0) 14(12,2) 15(14,0) 16(14,2) 17(16,0) 18(16,2) 19(18,0) 20(18,2) 21(20,0) 22(20,2) 23(22,0) 24(22,2) 25(24,0) 26(24,2) 27(26,0) 28(26,2) 29(28,0) 30(28,2) 31(30,0) 32(30,2) 33(32,0) 34(32,2) 35(34,0) 36(34,2) 37(36,0) 38(36,2) 39(38,0) 40(38,2) 41(40,0) 42(40,2) 43(42,0) 44(42,2)
ISA16
  rect 1.524x1.524 hole 1.016: 1(64.77,2.54)
  round 1.524 hole 1.016: 2(62.23,2.54) 3(59.69,2.54) 4(57.15,2.54) 5(54.61,2.54) 6(52.07,2.54) 7(49.53,2.54) 8(46.99,2.54) 9(44.45,2.54) 10(41.91,2.54) 11(39.37,2.54) 12(36.83,2.54) 13(34.29,2.54) 14(31.75,2.54) 15(29.21,2.54) 16(26.67,2.54) 17(24.13,2.54) 18(21.59,2.54) 19(19.05,2.54) 20(16.51,2.54) 21(13.97,2.54) 22(11.43,2.54) 23(8.89,2.54) 24(6.35,2.54) 25(3.81,2.54) 26(1.27,2.54) 27(-1.27,2.54) 28(-3.81,2.54) 29(-6.35,2.54) 30(-8.89,2.54) 31(-11.43,2.54) 32(64.77,-2.54) 33(62.23,-2.54) 34(59.69,-2.54) 35(57.15,-2.54) 36(54.61,-2.54) 37(52.07,-2.54) 38(49.53,-2.54) 39(46.99,-2.54) 40(44.45,-2.54) 41(41.91,-2.54) 42(39.37,-2.54) 43(36.83,-2.54) 44(34.29,-2.54) 45(31.75,-2.54) 46(29.21,-2.54) 47(26.67,-2.54) 48(24.13,-2.54) 49(21.59,-2.54) 50(19.05,-2.54) 51(16.51,-2.54) 52(13.97,-2.54) 53(11.43,-2.54) 54(8.89,-2.54) 55(6.35,-2.54) 56(3.81,-2.54) 57(1.27,-2.54) 58(-1.27,-2.54) 59(-3.81,-2.54) 60(-6.35,-2.54) 61(-8.89,-2.54) 62(-11.43,-2.54) 63(-21.59,2.54) 64(-24.13,2.54) 65(-26.67,2.54) 66(-29.21,2.54) 67(-31.75,2.54) 68(-34.29,2.54) 69(-36.83,2.54) 70(-39.37,2.54) 71(-41.91,2.54) 72(-44.45,2.54) 73(-46.99,2.54) 74(-49.53,2.54) 75(-52.07,2.54) 76(-54.61,2.54) 77(-57.15,2.54) 78(-59.69,2.54) 79(-62.23,2.54) 80(-64.77,2.54) 81(-21.59,-2.54) 82(-24.13,-2.54) 83(-26.67,-2.54) 84(-29.21,-2.54) 85(-31.75,-2.54) 86(-34.29,-2.54) 87(-36.83,-2.54) 88(-39.37,-2.54) 89(-41.91,-2.54) 90(-44.45,-2.54) 91(-46.99,-2.54) 92(-49.53,-2.54) 93(-52.07,-2.54) 94(-54.61,-2.54) 95(-57.15,-2.54) 96(-59.69,-2.54) 97(-62.23,-2.54) 98(-64.77,-2.54)
